# Altium PCB WX0.007.100PCB-4.2.PcbDoc (part 2 of 2)
Units mil, origin at the board's own origin, x right, y up, seen from the top; angles counter-clockwise.
Board outline 4262 x 10750.19 mil, 4 copper layers (Top Layer, GND, VCC, Bottom Layer), stack 62.248 mil thick; 172 components, 134 nets, 606 pads, 489 vias.
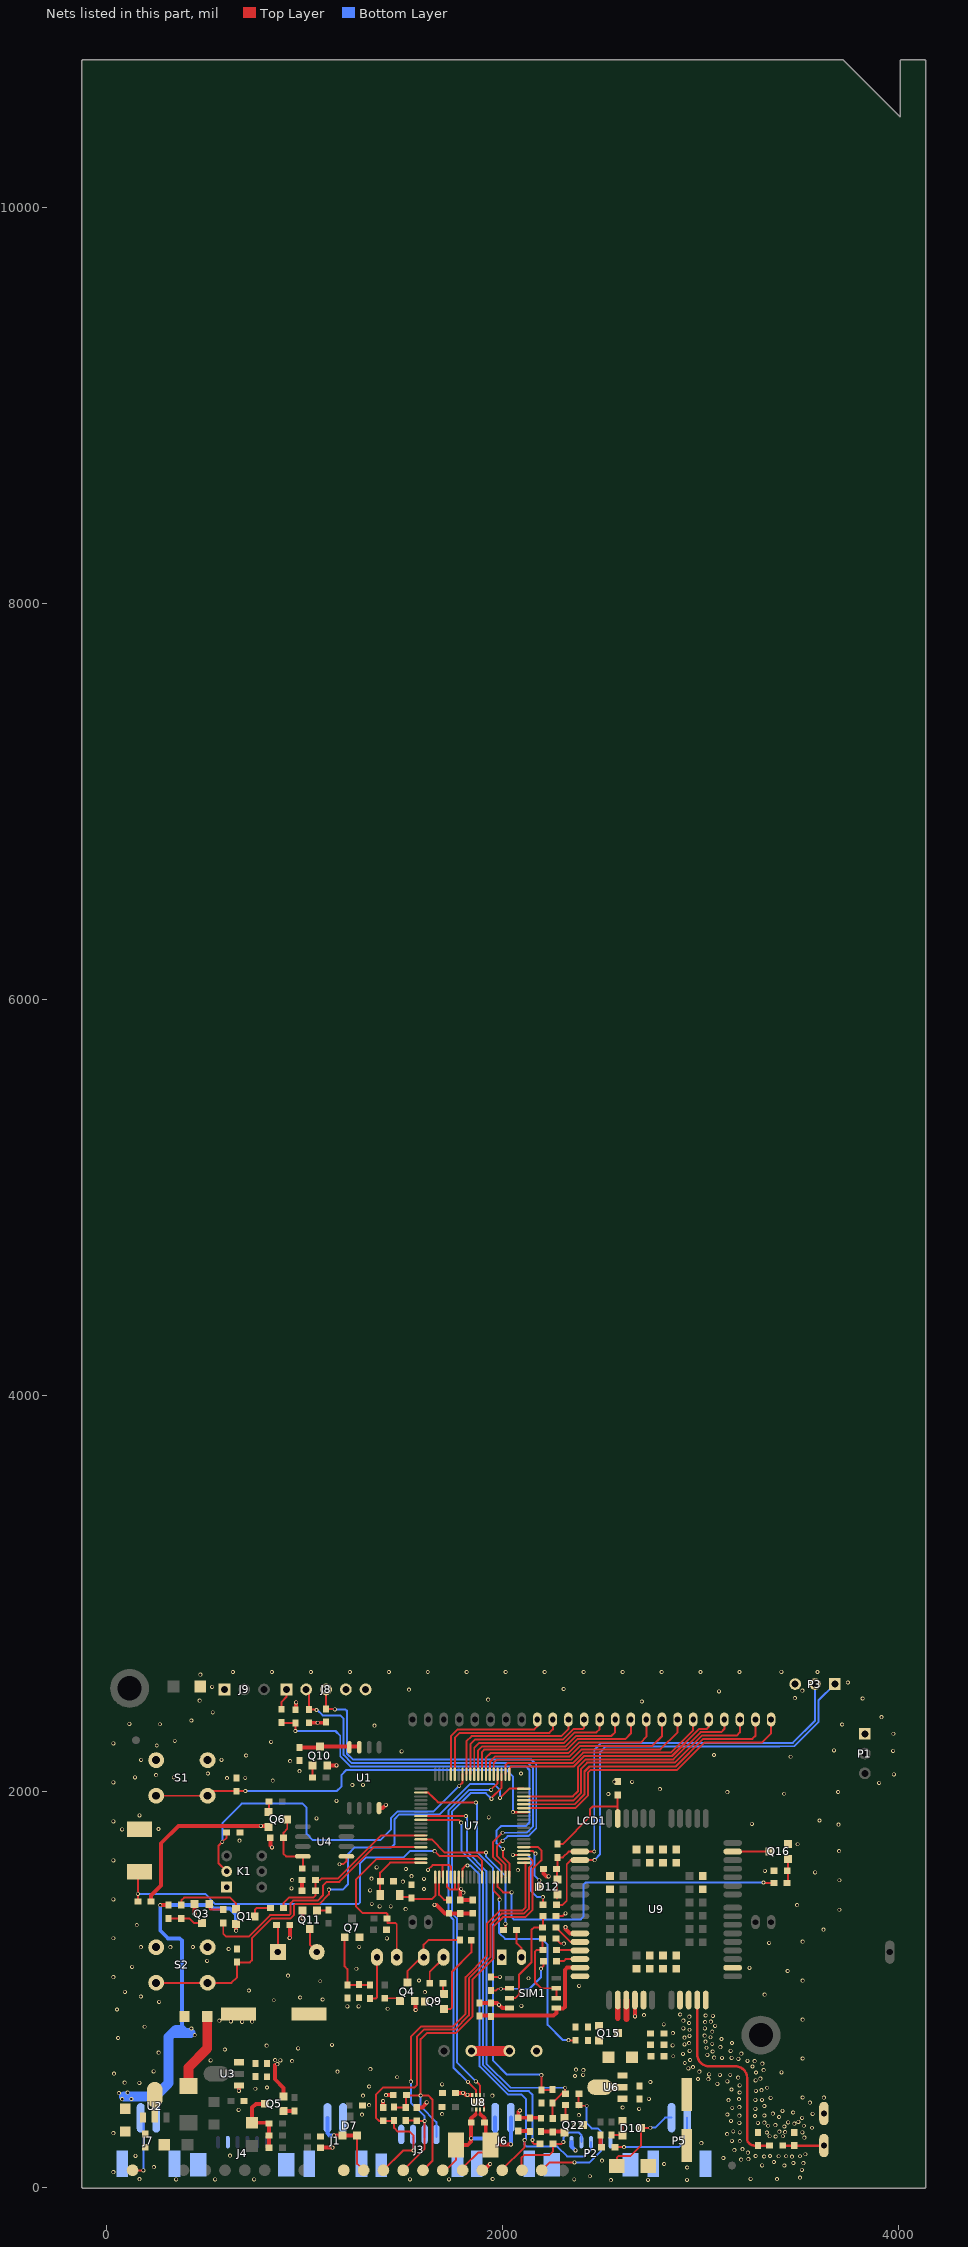
[diagram p4: the nets of this part, all layers, seen from the top]

## Via types
v1: diameter 20, hole 12, Top Layer to Bottom Layer, tented both sides, 489 vias

## Nets (pads, with @x,y where several pads share a name; then routed paths per layer and width w, separated by ;. In a path a pad name is that pad's centre, name@x,y a point inside that pad or via, vN(x,y) a via of type N, cw(c..) or ccw(c..) an arc to the next point about the centre after c; other vN are vias at no path point) (continued)
GND: C1.2 C2.2 C3.2 C4.2 C5.2 C6.2 C7.1 C8.2 C9.2 C10.2 C11.2 C13.1 C14.2 C15.2 C16.2 C19.2 C23.2 C25.2 C26.2 C27.2 C28.1 C29.2 C30.2 C31.2 C35.2 C36.2 C38.2 C39.1 C40.1 C41.2 C42.2 C43.2 C44.1 C45.2 C46.1 C47.1 C48.1 C49.1 C50.2 C51.2 C53.2 C57.2 C63.1 FB2.1 GND.1 J1.2 J1.3 J1.4 J3.4 J3.5 J3.6 J4.5 J4.7 J4.8 J6.3 J6.4 J7.2 J7.3 J7.4 J8.4 J9.1 K1.1 P1.1 P2.1 P2.6 P2.7 P3.3 P5.3 P5.4 pad.0@3625,372 Q3.2 Q7.2 Q9.3 Q11.2 Q16.2 Q22.3 R5.1 R13.2 R51.2 S1.2 S2.2 S3.2 TVS2.2 U1.4 U2.1 U3.1 U4.1 U6.1 U7.63 U7.65 U8.4 U8.9 U9.2 U9.43 U9.47 U9.48 U9.51 U9.52 U9.54 U9.59 U9.60 U9.61 U9.62 U9.63 U9.64 U9.65 U9.66 U9.71 U9.72 U9.73 U9.74 U9.81 U9.82 U9.83 U9.92 U9.93 U9.94 | length 1352.9
  Top Layer w10: S2.2@510.94,1213 S2.2@511.89,1212.05 ; v1(1178,1631) 1198,1631 1213,1646 U4.1@1213,1670.74 ; v1(1625,1603) 1649,1627 1699.58,1627 ; U7.63@1701.36,1565.9 1699.58,1567.68 1699.58,1627 ; U7.65@1740.73,1565.9 1740.73,1619.27 1733,1627 1699.58,1627 ; U8.9@1878.49,428.74 1889.26,428.74 1908.02,409.98 U8.4@1908.02,391.33 ; C26.2@1943,1060.51 1944.49,1062 v1(1988,1062) ; C25.2@2271.51,1255 2296.51,1230 v1(2311,1230) ; C27.2@2272.51,1370 2307,1370 v1(2320,1383)
  Top Layer w20: v1(445.6,1380.6) Q3.2@445.6,1429.24 ; v1(670,486) U3.1@670,512.25 ; U3.1@670.43,512.69 U3.1@671,512.12 ; C43.2@828.49,1765 828.49,1724.51 v1(837,1716) ; C49.1@955,2411.23 959,2415.23 v1(959,2449) ; R13.2@989,1552 989,1497.51 C40.1@989.51,1497 ; Q11.2@990.6,1397.98 990.6,1357.4 v1(991,1357) ; U1.4@1378,1914.74 1395.74,1914.74 v1(1412,1931) ; C39.1@1399,402.23 v1(1399,435) ; v1(1413,465) C10.2@1449.49,465 ; C45.2@1568.51,402.25 1596.25,402.25 1618,424 v1(1618,428) ; v1(1658,1425.74) 1668.26,1425.74 1710.75,1383.25 C13.1@1851,1383.25 ; C31.2@2078,280.49 C31.2@2081,283.49 2138,283.49 C30.2@2140,281.49 ; C8.2@2496,262.49 2496,207.74 FB2.1@2502,201.74 ; v1(2670.73,862.27) U9.47@2670.73,925.08
  other v1: 2549,35 2736.6,37 2933.45,37 353.05,39 549.9,39 746.75,39 1534.15,39 1731,39 2364,39 168,40 3388,40 1952,41 3255,42 3504,48 2443,55 36,76 3514,87 2934,99 240,101 3425,109 3313,110 2818,117 3521,121 3471,122 3372,127 2504,134 3207,139 3243,141 3117,147 3464,154 3323,155 3396,156 3434,156 3504,156 3280,157 3353,157 148,158 625,159 3531,166 3241,174 3173,187 3214,192 3006,222 3200,232 3160,234 3526,250 3381,256 3351,257 3418,257 3136,268 36,272.85 3337,276 3200,277 3516,277 3429,278 3400,280 3167,282 3565,300 3425,306 3343,310 3524,310 2362,313 3380,313 3476,321 3198,325 3291,325 3324,326 3444,327 3496,330 3156,335 3515,350 3399,354 3277,359 3198,361 3324,362 2387,364 1292,366 3137,367 1697,369 3568,370 3367,371 3470,377 3416,385 669,390 2692,395 3279,395 3162,400 2608,402 3198,404 3324,410 1328,414 3554,427 3143,439 3279,441 3312,441 3196,444 2741,446 3356,451 3625,452 3518,452.6 1297,462 1950,462 3199,478 3281,486 3310,490 3158,493 753,497 3338,502 812,503 1328,508 3199,514 1697,519 3087,522 167,527 93,528 2748,531 3137,534 3280,539 3041,545 2989,546 3304,548 3192,553 1469,555 3099,567 3152,567 3045,570 39,573 3282,579 3411,580 1168,583 2996,583 239,585 3321,591 1334,596 2940,600 2964,606 3264,609 3314,624 2922,627 939,636 3275,636 3239,638 527,640 2949,642 3193,648 3518,649.45 3110,653 3159,653 3071,654 2864,661 3036,668 2913,673 3208,674 265,679 3063,685 2947,688 3154,688 599,695 969,701 3032,704 3102,707 810,715 2861,716 1140,719 2921,721 3061,724 2944,727 3161,728 3027,735 3108,748 60,753 2921,755 3052,757 2946,764 3023,765 2862,778 3061,785 2946,795 2915,802 3024,802 194,810 3076,815 2816,822 2944,829 3025,833 3054,836 2915,841 3518,846.3 2945,861 3064,865 3028,867 2716,869 2899,872 54,897 1421,901 1218,913 1275,913 2097,916 267,936 1658,939 846,944 1093,948 979.16,957.84 175,963 3326,972 1609,985 94,986 720,993 2389,1017 1081,1040 3518,1043.15 1580,1044 2133,1055 36,1060.25 918,1068 3442,1092 1263,1103 3249,1108 131,1113 510,1143 618,1203 175,1212 324,1212 437,1213 1278,1214 3348,1234 3518,1240 36,1257.1 1417,1257 3623,1301 154,1323 3703,1401 1512,1404 1381,1418 1437,1418 3490,1424 1341,1430.74 36,1453.95 1333,1499 1605,1506 936,1509 1498,1543 3703,1550 939,1551 1605,1557 1340,1558 1542,1571 3581,1590 3326.74,1597.74 2079,1601 1513,1607 1366,1615 36,1650.8 3702,1697 3492,1732 673,1750 80,1807 264,1809 3699,1831 3261,1835 36,1847.65 3603,1852 1062,1863 1932,1868 168,1878 1163,1951 2536,1986 3424,1987 3137,1995 3697,1996 2796,2010 1243,2031 1297,2032 3904,2042 36,2044.5 2656,2047 2566,2048 841,2053 610,2066 702,2067 145,2070 341,2070 252,2081 3978,2085 513,2089 2095,2089 976,2101 929,2152 176,2158 582,2158 3457,2174 707,2180 3070,2183 1492,2201 3975,2204 3676,2206 255,2231 36,2241.35 833,2249 346,2254 3976,2290 1355,2331 3717,2337 271,2338 117,2340 430,2357 3916,2374 538,2398 2705,2453 472,2457 1929,2462 3821,2468 3478,2470 3095,2504 3516,2508 1529,2513 2310,2516 535,2527 3746,2549 475,2589 639.7,2602 836.55,2602 1033.4,2602 1230.25,2602 1427.1,2602 1623.95,2602 1820.8,2602 2017.65,2602 2214.5,2602 2411.35,2602 2608.2,2602 2805.06,2602 3001.91,2602 3198.76,2602 3592.46,2602 3410,2603
GPRS_3.6V: C3.1 C42.1 C51.1 C53.1 Q15.3 U9.45 U9.46 | length 186.9
  Top Layer w30: 2583.54,853.46 U9.45@2583.54,945.08 ; 2626.85,849.85 U9.46@2626.85,945.08
GPRS_POWER: R18.1 U7.76 | length 1141.7
  Top Layer w10: U7.76@1957.27,1565.9 1957.27,1497.47 1987,1467.74 v1(1987,1452) ; v1(2335,742) 2335.26,741.74 R18.1@2370,741.74
  Bottom Layer w10: v1(1987,1452) 1985,1450 1985,1283 2014.26,1253.74 2199,1253.74 2229,1223.74 2229,820 2307,742 v1(2335,742)
GPRS_RST: R57.1 U7.77 | length 1755.6
  Top Layer w10: U7.77@1976.95,1565.9 1976.95,1516.79 2005,1488.74 v1(2047.74,1488.74) ; v1@3322,1536.74 R57.1@3372,1536.74
  Bottom Layer w10: v1(2047.74,1488.74) 2047.74,1363.26 2058.26,1352.74 2397,1352.74 2410,1365.74 2410,1527.74 2421,1538.74 v1(3320,1538.74)
"HIC1 TXD INT": C16.1 R4.2 U7.42 | length 2024.5
  Top Layer w10: U7.42@1609.16,1993.06 1626.71,1993.06 1651.62,1968.15 1673.65,1946.13 1676.77,1943 v1(1867,1943) ; v1(2198,566) C16.1@2198,491.49 2252.49,491.49 R4.2@2254,493
  Bottom Layer w10: v1(1867,1943) 1873,1937 1873,1691.29 1953.8,1610.5 1953.8,638.37 2024.17,568 2196,568 v1(2198,566)
HIC1_EXT: EXT.1 P2.3 U7.68 | length 2273.6
  Top Layer w10: U7.68@1799.79,1565.9 1799.79,1608.53 1816,1624.74 v1(1825,1624.74) ; EXT.1@2000,85 1996,85 2113,202 v1(2113,237)
  Bottom Layer w10: v1(1825,1624.74) 1838,1624.74 1885.8,1576.94 1885.8,610.2 2028,468 2097,468 2119,446 2119,243 v1(2113,237) 2113,215 2124,204 2279,204 2327.47,155.53 2415.53,155.53 2449,189 P2.3@2449,227
HIC1_RXD: R60.1 U7.49 | length 2056
  Top Layer w10: U7.49@1609.16,1855.27 1779.47,1855.27 1794,1840.74 v1(1793,1840.74) ; v1@2152,238 v1@2152.5,237.5 ; v1(2153,238) 2153,226 2160,219 R60.1@2190,219
  Bottom Layer w10: v1(1793,1840.74) 1795,1840.74 1795,1697.17 1902.8,1589.37 1902.8,617.25 2035.04,485 2135,485 2153,467 v1(2153,238)
HIC1_TXD: R4.1 R58.1 R62.1 U7.48 | length 2158.1
  Top Layer w10: U7.48@1609.16,1874.95 1816.21,1874.95 v1(1816,1874.74) ; R4.1@2254,426 R4.1@2255,427 ; R4.1@2254,435 2255,434 R4.1@2255,427 ; R58.1@2255,355 R4.1@2255,427 ; R62.1@2318,461 R62.1@2318,472 ; v1(2318,502) R62.1@2318,481 ; R62.1@2320,472 R62.1@2318,472 ; R62.1@2320,481 R62.1@2318,481 ; R4.1@2255,427 2300,472 R62.1@2318,472 ; R62.1@2318,472 R62.1@2318,481
  Bottom Layer w10: v1(1816,1874.74) 1823,1867.74 1823,1693.21 1919.8,1596.41 1919.8,624.29 2042.08,502 v1(2318,502)
INTP1: C47.2 S1.1 U7.14 | length 2215.9
  Top Layer w10: S1.1@251.89,1976.93 S1.1@511.89,1976.93 536.96,2002 537.96,2001 v1(703,2001) ; v1@2054,1892.86 2127.06,1892.86 U7.14@2128.84,1894.64 ; v1(2054,1894) 2108.2,1894 U7.14@2108.84,1894.64
  Bottom Layer w10: v1(703,2001) 1165.22,2001 1187.22,2023 1187.22,2081.22 1213,2107 2022,2107 2054,2075 v1(2054,1894)
INTP4: C46.2 S2.1 U7.20 | length 2660.4
  Top Layer w10: S2.1@251.89,1032.05 S2.1@511.89,1032.05 632.05,1032.05 661,1061 C46.2@661,1135.49 ; C46.2@661,1136.49 C46.2@661,1135.49 ; v1(1124,1503) 1124,1478.96 1075.04,1430 955,1430 948,1423 948,1373.96 931.04,1357 920,1357 919,1356 834,1356 735,1257 735,1145 725.49,1135.49 C46.2@661,1135.49 ; v1(1989,1966) 2035.75,2012.75 U7.20@2108.84,2012.75
  Bottom Layer w10: v1(1124,1503) 1195,1503 1221,1529 1221,1681 1256,1716 1439.26,1716 1456,1732.74 1456,1858.74 1478.5,1881.24 1683.12,1881.24 1838.88,2037 1956.43,2037 1989,2004.43 v1(1989,1966)
IRED_RXD_EN: D6.2 R23.2 U7.59 | length 962.8
  Top Layer w10: D6.2@1467.32,1161.42 1467.32,1327.68 1460.26,1334.74 1420,1334.74 1420,1379 1414,1385 1294,1385 1261,1418 1261,1553.17 1366.25,1658.42 U7.59@1609.16,1658.42
KEY_OPEN: C63.2 K1.2 U7.33 | length 1931.5
  Top Layer w10: C63.2@607.49,1792 607.49,1765.49 v1(586,1744) 567,1725 567,1635.76 K1.2@608.27,1594.49 ; v1(1783,2027) 1799.79,2043.79 U7.33@1799.79,2085.58
  Bottom Layer w10: v1(586,1744) 586,1839 684,1937 992,1937 1012,1917 1012,1783.96 1042.96,1753 1384.83,1753 1439,1807.17 1439,1865.78 1471.46,1898.24 1654.24,1898.24 v1(1783,2027)
LED: R37.1 U7.54 | length 794.7
  Top Layer w10: U7.54@1589.16,1756.84 1643.16,1756.84 1710,1690 v1(1918,1690) ; R37.1@2006,1298 2016,1308 v1(2016,1330)
  Bottom Layer w10: v1(1918,1690) 1918,1670.33 2017,1571.33 2017,1330 v1(2016,1330)
MCU_RXD0: R52.1 U7.3 | length 433.4
  Top Layer w10: v1(2053.64,1678.1) U7.3@2108.84,1678.1 ; v1(2205,1465) 2205,1425 R52.1@2207,1423
  Bottom Layer w10: v1(2053.64,1678.1) 2126.64,1678.1 2146,1658.74 2146,1495.26 2176.26,1465 v1(2205,1465)
MCU_TXD0: D12.3 U7.4 | length 246.5
  Top Layer w10: U7.4@2108.84,1697.79 2154.95,1697.79 v1(2168,1684.74) ; D12.3@2185.76,1516 2187.76,1518 v1(2187.76,1550)
  Bottom Layer w10: v1(2168,1684.74) 2163,1679.74 2163,1574.76 v1(2187.76,1550)
MOTO_B: C37.2 J6.2 M_B.1 TVS1.2 U8.3 | length 624.4
  Top Layer w10: M_B.1@1813,85 1813,110 1878,175 1903,175 TVS1.2@1941,213 ; U8.3@1888.33,391.33 1888.33,370.18 1891.51,367
  Top Layer w20: 1891.51,367 1909.51,349.01 C37.2@1909.51,335.74 ; C37.2@1910.51,326 1917,319.51 1917,237 TVS1.2@1941,213 1944,216 v1(2043.37,216)
  Bottom Layer w20: v1(2043.37,216) J6.2@2043.37,351.14
MOTO_R: C37.1 J6.1 M_R.1 TVS1.1 U8.2 | length 639.1
  Top Layer w10: M_R.1@1700,85 1715,85 1766,136 TVS1.1@1766,213 ; 1864.01,366.99 1868.65,371.62 U8.2@1868.65,391.33
  Top Layer w20: TVS1.1@1766,213 1826,213 1843.51,230.51 v1(1843.51,246.51) C37.1@1843.51,326 1843.51,346.48 1864.01,366.99
  Bottom Layer w20: v1(1843.51,246.51) 1952.51,246.51 1965,259 1964.63,259.37 J6.1@1964.63,351.14
NetB1_1: B1.1 R27.1 | length 139.2
  Top Layer w10: R27.1@860,1324 867,1317 B1.1@867,1187.74
NetB1_2: B1.2 Q11.3 | length 130.6
  Top Layer w10: Q11.3@1028,1303.5 1028,1223.59 B1.2@1063.85,1187.74
NetC1_1: C1.1 R2.2 U9.53 | length 1033.9
  Top Layer w12.5: U9.53@2985.12,945.08 2985.12,670.53 ccw(c3044.65,670.53) 3044.65,611 3177.26,611 cw(c3177.26,551.26) 3237,551.26 3237,246.97 ccw(c3273.97,246.97) 3273.97,210 3293,210 C1.1@3293,209.51 3350,209.51 R2.2@3350,210
NetC4_1: C4.1 D2.2 R42.1 U2.2
NetC11_1: C11.1 Q7.1 R5.2 R19.1 | length 361.4
  Top Layer w10: Q7.1@1204.6,1262 1204.6,1115 1218,1101.6 R5.2@1218,1022 1331,1022 R19.1@1333,1020
NetC12_2: C12.2 C50.1 | length 192.2
  Top Layer w50: C12.2@1843.8,688 C50.1@2036,688
NetC36_1: C36.1 Q10.3 U1.7 U1.8 | length 403.9
  Top Layer w10: C36.1@976,2221.23 Q10.3@1075.25,2221.23 ; Q10.3@1075.74,2221.72 Q10.3@1079,2224.98 ; U1.7@1274.84,2224.98 U1.7@1278,2221.83
  Top Layer w20: C36.1@976,2221.72 Q10.3@1075.74,2221.72 ; Q10.3@1079,2224.98 U1.7@1274.84,2224.98
NetC38_1: C38.1 U7.62 | length 138.4
  Top Layer w10: U7.62@1681.68,1565.9 1681.68,1476.06 1706.51,1451.23 C38.1@1720,1451.23
NetC43_1: C43.1 Q6.3 R34.1 U4.8 | length 356.2
  Top Layer w10: Q6.3@914.24,1857 914.24,1809.24 895.49,1790.49 C43.1@895.49,1765 895,1764.51 895,1684 908.26,1670.74 U4.8@993,1670.74 R34.1@993,1599
NetD1_2: D1.2 R37.2 | length 146.8
  Top Layer w10: R37.2@2073,1298 2073,1231 2097.64,1206.36 D1.2@2097.64,1161.42
NetD5_1: D5.1 Q4.3 R16.2 | length 403.2
  Top Layer w10: 1521,1055.24 1521,1091 1591.42,1161.42 D5.1@1603.54,1161.42 1603.54,1224.54 1628,1249 R16.2@1786,1249
NetD5_2: D5.2 R15.2 | length 160.2
  Top Layer w10: R15.2@1634,1030 1634,1087 1703.54,1156.54 D5.2@1703.54,1161.42
NetD6_1: D6.1 R19.2 | length 239.6
  Top Layer w10: R19.2@1333,953 1362,953 1367.32,958.32 D6.1@1367.32,1161.42
NetD7_1: D7.1 D7.2 J1.1 VBAT2.1 | length 422.2
  Top Layer w10: D7.2@1267.4,261.76 1267.4,117.6 VBAT2.1@1300,85
  Top Layer w20: v1(1150.24,261.76) D7.1@1192.6,261.76 D7.2@1267.4,261.76
  Bottom Layer w20: J1.1@1117.63,350.14 1117.63,272.37 1128.24,261.76 v1(1150.24,261.76)
NetD10_1: D10.1 D10.2 FB1.2 | length 124.8
  Top Layer w10: FB1.2@2553,263 2604.35,263 2606.76,265.4 D10.1@2606.76,335.4
NetD10_3: D10.3 P5.1 TVS2.1 | length 453.3
  Top Layer w10: TVS2.1@2579.26,107 2579.26,148.69 2588,157.43 2648.43,157.43 2700,209 2700,296.76 D10.3@2701.24,298 2746,298 v1(2748,300)
  Bottom Layer w10: v1(2748,300) 2772,300 2823.14,351.14 P5.1@2855.63,351.14
NetFB2_2: FB2.2 P5.2 | length 491.4
  Top Layer w10: FB2.2@2569,201.74 v1(2615.26,201.74) v1@2616,201
  Bottom Layer w10: v1(2615.26,201.74) 2892.74,201.74 2934.37,243.37 P5.2@2934.37,351.14
NetJ8_1: J8.1 R95.2 | length 109.9
  Top Layer w10: R95.2@886,2413.74 886,2451.74 910,2475.74 J8.1@910,2513.74
NetP2_2: P2.2 R61.2 R62.2 TXD.1 | length 707
  Top Layer w10: TXD.1@2200,85 2240.53,125.53 v1(2365.47,125.53) ; R61.2@2385,403 R62.2@2385,461 ; R61.2@2393,411 v1(2427,411)
  Bottom Layer w10: v1(2365.47,125.53) 2441.53,125.53 2498.21,182.21 P2.2@2498.21,227 2498.21,282 2483.21,297 2452,297 2427,322 v1(2427,411)
NetP2_4: P2.4 R60.2 RXD.1 | length 509.4
  Top Layer w10: RXD.1@2100,85 2097,88 2097,148 2111,162 2238,162 2257,181 R60.2@2257,219 R60.2@2266,219 ; R60.2@2257,228 R60.2@2266,219 ; v1(2309,228) 2300,219 R60.2@2266,219
  Bottom Layer w10: v1(2309,228) 2309,250 2335,276 2387,276 2399.79,263.21 P2.4@2399.79,227
NetQ1_1: Q1.1 R1.2 | length 346
  Top Layer w10: R1.2@379,1424.74 379,1448 393,1462 626,1462 655.76,1432.24 Q1.1@655.76,1404.4
NetQ1_3: Q1.3 R9.1 | length 128.8
  Top Layer w10: Q1.3@759.24,1376 Q1.3@750.24,1367 750.24,1400.24 760,1410 R9.1@829,1410
NetQ3_1: Q3.1 R14.2 | length 73.2
  Top Layer w10: 520.4,1408.24 526.65,1402 R14.2@591,1402
NetQ3_3: Q3.3 R1.1 R10.1 | length 178.5
  Top Layer w10: R10.1@314,1357.74 R1.1@379,1357.74 419.26,1357.74 442.24,1334.76 Q3.3@483,1334.76
NetQ4_1: Q4.1 R25.1 | length 82.5
  Top Layer w10: R25.1@1407,954 1469.35,954 Q4.1@1483.6,939.76
NetQ5_1: Q5.1 R24.2 | length 55.3
  Top Layer w20: Q5.1@896.24,383.6 949.6,383.6 R24.2@951,385
NetQ5_3: Q5.3 R39.2 R40.2 R43.2 R44.2 | length 346.8
  Top Layer w20: Q5.3@788.76,421 756,421 737,402 R39.2@737,325.11 819.89,325.11 R40.2@823,322 R44.2@823,261 R43.2@823,199
NetQ6_1: Q6.1 R41.2 | length 54.5
  Top Layer w10: Q6.1@819.76,1894.4 822,1896.65 R41.2@822,1948
NetQ9_1: Q9.1 R3.2 | length 424
  Top Layer w10: Q9.1@1705.24,900.6 1739.6,900.6 1747,908 1747,1089.25 1844,1186.25 R3.2@1844,1247
NetQ9_2: Q9.2 R15.1 | length 56.4
  Top Layer w10: R15.1@1701,1030 1701,979.65 Q9.2@1705.24,975.4
NetQ10_1: Q10.1 R12.2 | length 60.4
  Top Layer w10: R12.2@1042,2069.74 Q10.1@1042,2130.09
NetQ11_1: Q11.1 R38.2 | length 57.3
  Top Layer w10: Q11.1@1065.4,1397.98 1120.24,1397.98 R38.2@1122,1399.74
NetQ15_1: Q15.1 R6.1 R18.2
NetQ15_2: Q15.2 R6.2 R50.2 U6.3
NetQ16_1: Q16.1 R51.1 R57.2 | length 123.8
  Top Layer w10: R57.2@3439,1536.74 3444.24,1541.98 Q16.1@3444.24,1658.34
NetQ22_1: Q22.1 R61.1 | length 79.2
  Top Layer w10: Q22.1@2318,344.65 2318,352 2320,354 R61.1@2320,423
NetQ22_2: Q22.2 R58.2 R59.1 | length 121
  Top Layer w20: R59.1@2196,281 2309.35,281 Q22.2@2314.76,275.6
OPEN: U7.23 U8.6 | length 1885.3
  Top Layer w10: v1(1867,534.57) 1877.98,523.59 ; 1877.98,523.56 1888.33,513.2 U8.6@1888.33,466.14 ; v1(1946,1961) 1946,1966.57 1996.64,2017.21 U7.23@1996.64,2085.58
  Bottom Layer w10: v1(1867,534.57) 1771,630.57 1771,1358.21 1746,1383.21 1746,1896.04 1839.96,1990 1917,1990 v1(1946,1961)
R: D12.1 D12.2 P3.2 R53.2 R54.2 U9.29 | length 2280.8
  Top Layer w10: 2277,1457.84 2277,1615 2280,1618 R53.2@2280,1666 2306,1666 2335.08,1695.08 U9.29@2392.6,1695.08 2392.68,1695 v1(2465,1695)
  Bottom Layer w10: v1(2465,1695) 2465,2208 2501,2244 3468,2244 3580,2356 P3.2@3580,2541
RESET: Q16.3 U9.15 | length 138.3
  Top Layer w10: U9.15@3210.83,1695.08 Q16.3@3349.09,1695.08
RST: C49.2 R95.1 U7.80 | length 2146.7
  Top Layer w10: R95.1@888.51,2344.23 C49.2@955,2344.23 v1(955,2304) ; v1(2003,1709) 2003,1668 2036.01,1634.99 U7.80@2036.01,1565.9
  Bottom Layer w10: v1@953,2307 v1@955,2307 ; v1(955,2304) 1157.98,2304 1181.98,2280 1181.98,2175.94 1232.92,2125 2120,2125 2138,2107 2138,1842 2120,1824 1995,1824 1991,1820 1989.57,1820 1972,1802.43 1972,1736.57 1999.57,1709 v1(2003,1709)
S0: LCD1.9 U7.36 | length 683.5
  Top Layer w10: U7.36@1740.73,2085.58 1740.73,2276.47 1776,2311.74 2162,2311.74 2177.16,2326.9 LCD1.9@2177.16,2362.2
S1: LCD1.10 U7.35 | length 747.2
  Top Layer w10: U7.35@1760.42,2085.58 1760.42,2270.16 1785,2294.74 2238,2294.74 2255.91,2312.65 LCD1.10@2255.91,2362.2
S2: LCD1.11 U7.32 | length 755.4
  Top Layer w10: U7.32@1819.47,2085.58 1819.47,2251.21 1846,2277.74 2299,2277.74 2334.65,2313.39 LCD1.11@2334.65,2362.2
S3: LCD1.12 U7.31 | length 802.5
  Top Layer w10: U7.31@1839.16,2085.58 1839.16,2237.9 1862,2260.74 2306.04,2260.74 2359.04,2313.74 2406.74,2313.74 2413.39,2320.39 LCD1.12@2413.39,2362.2
S4: LCD1.13 U7.30 | length 855.3
  Top Layer w10: U7.30@1858.84,2085.58 1858.84,2219.58 1883,2243.74 2313.08,2243.74 2366.08,2296.74 2476,2296.74 2492.13,2312.87 LCD1.13@2492.13,2362.2
S5: LCD1.14 U7.29 | length 914.9
  Top Layer w10: U7.29@1878.53,2085.58 1878.53,2206.27 1899,2226.74 2320.12,2226.74 2373.12,2279.74 2552,2279.74 2570.87,2298.61 LCD1.14@2570.87,2362.2
S6: LCD1.15 U7.28 | length 973.9
  Top Layer w10: U7.28@1898.21,2085.58 1898.21,2198.95 1909,2209.74 2327.17,2209.74 2380.17,2262.74 2621,2262.74 2649.61,2291.35 LCD1.15@2649.61,2362.2
S7: LCD1.16 U7.27 | length 1025.3
  Top Layer w10: U7.27@1917.9,2085.58 1917.9,2169.64 1941,2192.74 2334.21,2192.74 2387.21,2245.74 2699,2245.74 2728.35,2275.09 LCD1.16@2728.35,2362.2
S8: LCD1.17 U7.26 | length 1069.7
  Top Layer w10: U7.26@1937.58,2085.58 1937.58,2147.32 1966,2175.74 2341.25,2175.74 2394.25,2228.74 2758,2228.74 2807.09,2277.83 LCD1.17@2807.09,2362.2
S9: LCD1.18 U7.25 | length 1114
  Top Layer w10: U7.25@1957.27,2085.58 1957.27,2142.97 1973.04,2158.74 2348.29,2158.74 2401.29,2211.74 2799,2211.74 2885.83,2298.57 LCD1.18@2885.83,2362.2
S10: LCD1.19 U7.22 | length 1121.5
  Top Layer w10: U7.22@2016.32,2085.58 2016.32,2132.06 2026,2141.74 2355.33,2141.74 2408.33,2194.74 2850.74,2194.74 2964.57,2308.57 LCD1.19@2964.57,2362.2
S11: LCD1.20 U7.21 | length 1161.2
  Top Layer w10: U7.21@2036.01,2085.58 2036.01,2114.75 2046,2124.74 2362.37,2124.74 2415.37,2177.74 2857.78,2177.74 2994.81,2314.77 3033.77,2314.77 3043.31,2324.31 LCD1.20@3043.31,2362.2
S12: LCD1.21 U7.18 | length 1253.7
  Top Layer w10: U7.18@2128.84,1973.38 2356.64,1973.38 2381.71,1998.45 2381.71,2120.03 2422.42,2160.74 2864.82,2160.74 3001.85,2297.77 3105.77,2297.77 3122.05,2314.05 LCD1.21@3122.05,2362.2
S13: LCD1.22 U7.17 | length 1350.7
  Top Layer w10: U7.17@2128.84,1953.69 2360.99,1953.69 2398.71,1991.41 2398.71,2112.99 2429.46,2143.74 2871.86,2143.74 3008.9,2280.77 3184.77,2280.77 3200.79,2296.79 LCD1.22@3200.79,2362.2
S14: LCD1.23 U7.16 | length 1443.9
  Top Layer w10: U7.16@2128.84,1934.01 2365.35,1934.01 2415.71,1984.37 2415.71,2099.45 2441,2124.74 2876.91,2124.74 3015.94,2263.77 3263.77,2263.77 3279.53,2279.53 LCD1.23@3279.53,2362.2
S15: LCD1.24 U7.15 | length 1523.5
  Top Layer w10: U7.15@2128.84,1914.32 2369.71,1914.32 2432.71,1977.32 2432.71,2092.41 2448.04,2107.74 2883.95,2107.74 3022.98,2246.77 3313.03,2246.77 3358.27,2292.01 LCD1.24@3358.27,2362.2
SIM_CLK: C26.1 R21.1 SIM1.6 | length 411.6
  Top Layer w10: C26.1@1943,993.51 1969.51,993.51 1978,1002 v1(1993,1002) 2034.43,1002 SIM1.6@2037,1004.57 ; v1(2196,1104) 2208,1116 R21.1@2208,1141
  Bottom Layer w10: v1(1993,1002) 2138,1002 2196,1060 v1(2196,1104)
SIM_DATA: C25.1 R20.2 SIM1.2 SIM1.3 | length 429.1
  Top Layer w10: C25.1@2204.51,1255 2204.51,1199.49 R20.2@2207,1197 2172,1197 2165,1190 2165,1036.15 2196.57,1004.57 SIM1.3@2273.22,1004.57 SIM1.2@2273.22,954.57
SIM_RST: C27.1 R22.1 SIM1.7 | length 528.6
  Top Layer w10: SIM1.7@2037,954.57 2066.57,954.57 2086,974 2086,1074 2148,1136 2148,1299 2161,1312 R22.1@2204,1312 2205.51,1312 C27.1@2205.51,1370
SLEEP: U7.24 U8.7 | length 1856.6
  Top Layer w10: v1(1827,532) 1826,532 1823,535 1868.66,489.34 U8.7@1868.66,466.14 ; v1(1944,2007) 1943.26,2007 1976.95,2040.69 U7.24@1976.95,2085.58
  Bottom Layer w10: v1(1827,532) 1826,532 1823,535 1754,604 1754,1351.17 1729,1376.17 1729,1903.08 1832.92,2007 v1(1944,2007)
SWCLK: J8.2 R94.1 U7.78 | length 2177.2
  Top Layer w10: J8.2@1024,2499.74 R94.1@1024,2412.74 1059.26,2412.74 v1(1062,2410) ; U7.78@1996.64,1565.9 1996.64,1625.36 1953,1669 1953,1742.43 2000.57,1790 v1(2002,1790)
  Bottom Layer w10: v1(1062,2410) v1@1066,2410 ; v1@1063,2413 v1@1066,2410 ; v1(2002,1790) 2124.18,1790 2155,1820.82 2155,2118 2131,2142 1239.96,2142 1198.98,2182.98 1198.98,2365.02 1181,2383 1093,2383 v1@1066,2410
SWIO: J8.3 R93.2 U7.79 | length 2130.3
  Top Layer w10: J8.3@1110,2513.74 R93.2@1110,2415.74 v1@1152.26,2415.74 ; v1(2002,1749) 2000.57,1749 1973,1721.43 1973,1673.96 2016.32,1630.64 U7.79@2016.32,1565.9
  Bottom Layer w10: v1(1155,2413) 1208,2413 1216,2405 1216,2190 1247,2159 2148,2159 2172,2135 2172,1813.78 2131.22,1773 2027.43,1773 2003.43,1749 v1(2002,1749)
T: P3.1 R52.2 U9.30 | length 2343.1
  Top Layer w10: R52.2@2274,1426 2305,1426 2326,1447 2326,1632 2345.77,1651.77 U9.30@2392.6,1651.77 v1(2467,1651.77)
  Bottom Layer w10: v1(2467,1651.77) 2467,1654.57 2495,1682.57 2495,2197 2524,2226 3402,2226 3403,2227 3475.04,2227 3597,2348.96 3597,2458 P3.1@3680,2541
USIM_CLK: R21.2 U9.41 | length 122.1
  Top Layer w10: R21.2@2275,1141 2310,1141 2320.77,1151.77 U9.41@2392.6,1151.77
USIM_DATA: R20.1 U9.40 | length 119.4
  Top Layer w10: R20.1@2274,1197 2390.68,1197 U9.40@2392.6,1195.08
USIM_GND: C24.2 C32.2 SIM1.1 U9.42 | length 734
  Top Layer w20: C32.2@1886,863.49 1888.51,866 2260,866 2273.22,879.22 SIM1.1@2273.22,904.57 2275.8,902 2308,902 2317,911 2317,1097 2328.46,1108.46 U9.42@2392.6,1108.46
USIM_RST: R22.2 U9.39 | length 124.7
  Top Layer w10: R22.2@2271,1312 2271.43,1312 2341,1242.43 2341,1242 2344.61,1238.39 U9.39@2365,1238.39
USIM_VDD: C24.1 C32.1 SIM1.8 U9.38 | length 252.6
  Top Layer w20: C32.1@1886,930.49 1974.51,930.49 v1(1984,921) 2000.43,904.57 SIM1.8@2037,904.57 ; v1(2320,1313) 2320,1304 2342.31,1281.69 U9.38@2392.6,1281.69
VCC: C5.1 C6.1 C13.2 C30.1 C31.1 C44.2 C48.2 D1.1 J8.5 P2.5 Q4.2 Q5.2 Q6.2 Q10.2 R27.2 R35.2 R54.1 R59.2 R63.2 R93.1 R94.2 U3.3 U7.64 U7.66 U7.67 U8.8 VCC.1 | length 2102
  Top Layer w10: U7.64@1721.05,1565.9 1721.05,1516.69 1734,1503.74 1763,1503.74 ; U7.66@1760.42,1565.9 1760.42,1506.32 1763,1503.74 ; 1777,1503.74 1763,1503.74 ; 1780.42,1507.16 U7.67@1780.42,1565.9
  Top Layer w20: R63.2@227,1443 227,1473 277,1523 277,1737 364.5,1824.5 814.85,1824.5 Q6.2@815.76,1823.6 ; Q6.2@819.76,1819.6 Q6.2@815.76,1823.6 ; Q6.2@819.76,1823.6 Q6.2@815.76,1823.6 ; 853,616.74 853,545 896.24,501.76 Q5.2@896.24,458.4 ; v1(926,1259) 927,1260 R27.2@927,1324 ; R94.2@1024,2345.74 R93.1@1107,2345.74 ; R35.2@1083,199 v1(1143,199) ; Q10.2@1116.4,2130.5 v1(1163.24,2130.5) ; v1(1563,895) Q4.2@1563,939.76 ; C48.2@1764.51,476 1806,476 1815.86,466.14 1843,466.14 ; 1788,1492.74 C44.2@1788,1449.25 1850,1449.25 C13.2@1851,1450.25 ; VCC.1@1900,85 1907,85 v1@1938,116 ; v1(2089,387) 2081,379 C31.1@2081,350.49 R59.2@2189.49,350.49 ; R54.1@2208,1607 2208,1585 2223,1570 v1(2235,1570)
  Bottom Layer w20: P2.5@2350.57,227 2350.57,205.29 v1@2370.33,185.53
  other v1: 1939,117 2370,186 1825,466 1802,476 864,621 879,640 853,641 1804,1487.74 1793,1507 781,1824.5 1068,2345.74
VDD_EXT: C57.1 R53.1 U9.26 | length 523.4
  Top Layer w10: R53.1@2280,1733 2305,1733 2443,1871 2443,1908.74 2456,1921.74 2583.54,1921.74 ; U9.26@2583.54,1862.4 2583.54,1921.74 ; C57.1@2584,1981.51 2583.54,1981.51 2583.54,1921.74
VIN: D2.1 D4.1 J7.1 Q1.2 R10.2 VIN1.1 | length 2228.2
  Top Layer w10: VIN1.1@133,85 v1(187,85)
  Top Layer w20: v1(272.74,1424.74) R10.2@314,1424.74 ; v1(655.76,1295.76) Q1.2@655.76,1329.6
  Bottom Layer w10: v1(187,85) J7.1@187,331.25
  Bottom Layer w20: 383,794 383,1245 371,1257 311,1257 272.74,1295.26 v1(272.74,1424.74) 524.15,1424.74 540.89,1408 624,1408 655.76,1376.24 v1(655.76,1295.76)
  Bottom Layer w50: 90,458 248,458 315,525 315,758 336,779 ; 383,794 351,794 336,779 ; 425,779 336,779
  other v1: 80,444 127,445 64,475 108,477 447,768 430,801
VIN_CHEAK: C40.2 R9.2 R13.1 U7.53 | length 927.7
  Top Layer w10: R9.2@896,1410 896,1436 924,1464 1047.99,1464 1056.51,1472.52 C40.2@1056.51,1497 1056,1497.51 R13.1@1056,1552 1080,1552 1086.74,1558.74 1170,1558.74 1388,1776.74 1608.94,1776.74 U7.53@1609.16,1776.53
VIN_CHEAK_EN: R14.1 U7.56 | length 1327.1
  Top Layer w10: R14.1@591,1335 591,1279 605,1265 718.96,1265 827.96,1374 924,1374 931,1381 931,1434 944,1447 1068,1447 1094,1473 1094,1521.96 1113.78,1541.74 1177.04,1541.74 1352.04,1716.74 1433.43,1716.74 1434.16,1717.47 U7.56@1609.16,1717.47
VIN_NB: C15.1 C23.1 D4.2 D8.2 R50.1 U6.2 | length 391.1
  Top Layer w50: D8.2@415,510.24 415,605 510.09,700.09 D4.2@510.09,862
  other v1: 2368,561 2409,567 2410,591 2373,593 686,835 737,836 629,837 571,841
W1: C2.1 pad.1 R2.1 | length 198.9
  Top Layer w12.5: R2.1@3417,210 3474.51,210 C2.1@3475,209.51 ; pad.1@3625,210 C2.1@3486,210 ; C2.1@3486,210 3485.51,210 3486,209.51 C2.1@3486,210
WY_POW: C10.1 J3.1 POW.1 R29.1 R30.1 U7.5 | length 2610.3
  Top Layer w10: R29.1@1465,402.74 R30.1@1513,402.74 C10.1@1513,465 ; C10.1@1516.49,465 1518.49,463 v1(1588,463) ; POW.1@1600,85 1648,133 1648,440.43 1625.43,463 v1(1588,463) ; U7.5@2108.84,1717.47 2180.84,1717.47 2184.57,1713.74 2185.26,1713.74 2198,1701 2198,1650.97 2152,1604.97 2152,1399 2117,1364 2004,1364 1957,1317 1957,1155 1849,1047 1849,860.79 1766.21,778 1619,778 1588,747 v1(1588,463)
  Bottom Layer w10: v1(1588,463) 1588,408 1667.58,328.42 J3.1@1667.58,252
WY_SCL: C39.2 J3.3 R29.2 SCL.1 U7.2 | length 2514.6
  Top Layer w10: SCL.1@1400,85 1500,185 v1(1553,185) 1553,260 1533,280 1473,280 1454,299 R29.2@1454,334.23 ; R29.2@1454,336.74 R29.2@1454,334.23 ; U7.2@2108.84,1658.42 2143.32,1658.42 2154.31,1647.43 2154.31,1631.32 2135,1612.01 2135,1406.04 2109.96,1381 1996.96,1381 1940,1324.04 1940,1162.04 1832,1054.04 1832,867.83 1759.17,795 1604,795 1570,761 1570,517 1556,503 1526.57,503 1525.57,504 1399,504 1363,468 1363,349 1377.77,334.23 R29.2@1454,334.23
  Bottom Layer w10: J3.3@1549.47,252 1553,248.47 v1(1553,185)
WY_SDA: C45.1 J3.2 R30.2 SDA.1 U7.1 | length 2220.7
  Top Layer w10: SDA.1@1500,85 1608,193 v1(1608,334) 1569.76,334 C45.1@1568.51,335.25 1568.02,335.74 R30.2@1513,335.74 ; v1(1539,533) 1539,760 1591,812 1752.12,812 1815,874.88 1815,1061.08 1923,1169.08 1923,1331.08 1989.92,1398 2102.92,1398 2118,1413.08 2118,1634.4 2122.34,1638.73 U7.1@2108.84,1638.73
  Bottom Layer w10: v1(1539,533) 1539,426 1608,357 v1(1608,334) 1608.53,333.47 J3.2@1608.53,252
X1: R63.1 S3.1 U7.73 | length 2228.6
  Top Layer w10: R63.1@160,1443 v1(160,1481) S3.1@160,1584 ; v1(1659,1697) 1683,1673 1874,1673 1898.21,1648.79 U7.73@1898.21,1565.9
  Bottom Layer w10: v1(160,1481) 499,1481 550,1430 1273,1430 1282,1439 1282,1635 1311,1664 1501.04,1664 1534.04,1697 v1(1659,1697)
XT1: C28.2 U7.61 Y2.1 | length 274.4
  Top Layer w10: Y2.1@1492.74,1465 1537.49,1465 C28.2@1542,1460.49 1548.12,1454.37 1643.63,1454.37 1661.99,1472.73 U7.61@1661.99,1565.9
XT2: C7.2 U7.60 Y2.2 | length 359
  Top Layer w10: Y2.2@1383.57,1475.74 1383.57,1588.31 1433.99,1638.73 U7.60@1609.16,1638.73
pads on no net: K1.3 K1.4 K1.5 K1.6 LCD1.25 LCD1.26 LCD1.27 LCD1.28 MARK1.0 MARK1.1 MARK2.0 MARK2.1 SIM1.4 SIM1.5 U4.2 U4.4 U4.5 U7.34 U7.69 U9.1 U9.3 U9.4 U9.5 U9.6 U9.7 U9.8 U9.9 U9.10 U9.11 U9.12 U9.13 U9.14 U9.16 U9.17 U9.18 U9.21 U9.22 U9.23 U9.24 U9.25 U9.27 U9.28 U9.31 U9.32 U9.33 U9.34 U9.35 U9.36 U9.37 U9.44 U9.49 U9.50 U9.55 U9.56 U9.57 U9.58 U9.67 U9.68 U9.69 U9.70 U9.75 U9.76 U9.77 U9.78 U9.79 U9.80 U9.84 U9.85 U9.86 U9.87 U9.88 U9.89 U9.90 U9.91

## Polygon pours and split planes (outlines as drawn)
GND on Bottom Layer "Top Layer-No Net" (solid, remove dead copper, pour order 2): 10,1 4014.75,1 4015.75,0 4015.75,2342.52 3720.47,2637.8 0,2637.8
GND on Top Layer "Top Layer-No Net" (solid, remove dead copper, pour order 4): 0,2637.8 3720.47,2637.8 4015.75,2342.52 4015.75,0 0,0
GND on GND (split plane): 4118.78,15.08 4015.75,15.08 4015.75,2026 4014.75,2025 3721,2025 3721,1281 3720,1280 3543,1280 3543,493 3577,459 3648,459 3680,427 3680,319 3647,286 3566,286 3543,263 3543,15.08 -103.03,15.08 -103.03,10725.08 3714.23,10725.08 3996.52,10442.78 3999.57,10440.28 4003.04,10438.42 4006.81,10437.28 4010.73,10436.89 4014.65,10437.28 4018.42,10438.42 4021.9,10440.28 4024.94,10442.78 4027.44,10445.83 4029.3,10449.3 4030.44,10453.07 4030.83,10456.99 4030.83,10725.08 4118.78,10725.08
VIN_NB on VCC (split plane): 2356.9,790.89 2356.9,629 2357.29,627.05 2358.4,625.4 2372.4,611.4 2374.05,610.29 2376,609.9 2427.89,609.9 2430.9,606.89 2430.9,535.1 2292.11,535.1 2236.1,591.11 2236.1,715 2235.71,716.95 2234.6,718.6 2209.6,743.6 2207.95,744.71 2206,745.1 545.11,745.1 533.1,757.11 533.1,850.89 551.11,868.9 2278.89,868.9
USIM_VDD on VCC (split plane): 2354.9,1326.89 2354.9,916.11 2342.89,904.1 1952.11,904.1 1946.1,910.11 1946.1,960.89 1966.11,980.9 2270,980.9 2271.95,981.29 2273.6,982.4 2291.6,1000.4 2292.71,1002.05 2293.1,1004 2293.1,1316.89 2318.11,1341.9 2339.89,1341.9
3.6V on VCC (split plane): 1208.9,477.89 1208.9,444.11 1188.89,424.1 576.11,424.1 567.1,433.11 567.1,478.89 585.11,496.9 1189.89,496.9
VCC on VCC (split plane): 1469.9,2531.63 1469.9,1830.74 1470.29,1828.79 1471.39,1827.14 1642.39,1656.14 1644.05,1655.03 1646,1654.64 2378.89,1654.64 2430.9,1602.63 2430.9,619.92 2430,620.1 2378.11,620.1 2367.1,631.11 2367.1,793 2366.71,794.95 2365.6,796.6 2284.6,877.6 2282.95,878.71 2281,879.1 549,879.1 547.05,878.71 545.4,877.6 524.39,856.6 523.29,854.95 522.9,853 522.9,755 523.29,753.05 524.39,751.4 539.4,736.4 541.05,735.29 543,734.9 1090.69,734.9 957.89,602.1 493,602.1 491.05,601.71 489.4,600.6 450.39,561.6 449.29,559.95 448.9,558 448.9,205.74 449.29,203.79 450.39,202.14 469.39,183.14 471.05,182.03 473,181.64 528,181.64 529.95,182.03 531.6,183.14 532.71,184.79 533.1,186.74 533.1,470.89 590.11,527.9 1078,527.9 1079.95,528.29 1081.6,529.4 1172.11,619.9 1601.89,619.9 1629.9,591.89 1629.9,381 1630.29,379.05 1631.4,377.4 1657.4,351.4 1659.05,350.29 1661,349.9 1845,349.9 1846.95,350.29 1848.6,351.4 1865.6,368.4 1866.71,370.05 1867.1,372 1867.1,416 1866.71,417.95 1865.6,419.6 1844.6,440.6 1842.95,441.71 1841,442.1 1785.11,442.1 1751.1,476.11 1751.1,708 1750.71,709.95 1749.6,711.6 1726.31,734.9 2203.89,734.9 2225.9,712.89 2225.9,589 2226.29,587.05 2227.4,585.4 2286.4,526.4 2288.05,525.29 2290,524.9 2430.9,524.9 2430.9,207.11 2309.63,85.84 420.11,85.84 361.1,144.85 361.1,974.63 715.6,1329.14 716.71,1330.79 717.1,1332.74 717.1,1787.89 933.6,2004.39 934.71,2006.05 935.1,2008 935.1,2350.63 972.11,2387.64 1175,2387.64 1176.95,2388.03 1178.6,2389.14 1261.6,2472.14 1262.71,2473.79 1263.1,2475.74 1263.1,2571.63 1290.11,2598.64 1402.89,2598.64
5V on VCC (split plane): 1740.9,705.89 1740.9,474 1741.29,472.05 1742.4,470.4 1779.4,433.4 1781.05,432.29 1783,431.9 1838.89,431.9 1856.9,413.89 1856.9,374.11 1842.89,360.1 1663.11,360.1 1640.1,383.11 1640.1,594 1639.71,595.95 1638.6,597.6 1607.6,628.6 1605.95,629.71 1604,630.1 1170,630.1 1168.05,629.71 1166.4,628.6 1075.89,538.1 588,538.1 586.05,537.71 584.4,536.6 524.39,476.6 523.29,474.95 522.9,473 522.9,191.84 475.11,191.84 459.1,207.85 459.1,555.89 495.11,591.9 960,591.9 961.95,592.29 963.6,593.4 1103.11,732.9 1713.89,732.9
GND on VCC (split plane): 4118.78,15.08 4015.75,15.08 4015.75,2026 4014.75,2025 3721,2025 3721,1281 3720,1280 3543,1280 3543,493 3577,459 3648,459 3680,427 3680,319 3647,286 3566,286 3543,263 3543,15.08 -103.03,15.08 -103.03,10725.08 3714.23,10725.08 3996.52,10442.78 3999.57,10440.28 4003.04,10438.42 4006.81,10437.28 4010.73,10436.89 4014.65,10437.28 4018.42,10438.42 4021.9,10440.28 4024.94,10442.78 4027.44,10445.83 4029.3,10449.3 4030.44,10453.07 4030.83,10456.99 4030.83,10725.08 4118.78,10725.08

## Keep-outs
Keep-Out Layer:
  circle w5: c696.85,4295.28 r11.81
  circle w5: c696.85,6996.06 r11.81
  circle w5: c696.85,9696.85 r11.81
  circle w10: c381.89,1594.49 r61.02
  circle w10: c118.11,649.61 r61.02
  circle w10: c3307.09,2519.69 r61.02
  lines w10: 0,5338.59 0,5401.57 ; 4015.75,10739.91 4015.75,10444.88 ; 4015.75,5401.57 4015.75,5043.31 ; 4016,10740.16 4133.86,10740.16 4133.86,0 4015.75,0 ; 0,5401.57 0,8039.37 ; 0,5401.57 4015.75,5401.57 4015.75,7744.1 ; 0,8039.37 3720.47,8039.37 4015.75,7744.1 ; 0,8039.37 0,8102.36 ; 0,8102.36 0,10740.16 ; 0,8102.36 4015.75,8102.36 ; 0,10740.16 3720.47,10740.16 4015.75,10444.88 ; 0,10740.16 -118.11,10740.16 -118.11,0 0,0 ; 0,0 4015.75,0 ; 0,0 0,2637.8 ; 0,2637.8 3720.47,2637.8 4015.75,2342.52 ; 0,2637.8 0,2700.79 ; 0,2700.79 0,5338.58 3720.47,5338.58 4015.75,5043.31 ; 0,2700.79 4015.75,2700.79 ; 4015.75,7744.1 4015.75,8102.36 ; 4015.75,8102.36 4015.75,10444.88 ; 4015.75,0 4015.75,2342.52 ; 4015.75,2342.52 4015.75,2700.79 ; 4015.75,2700.79 4015.75,5043.31

## Other copper
Top Layer:
  rectangle net VCC: 1744,1477.74 1816,1522.74
  rectangle net VIN_NB: 485,821.74 758,898.74
  region net NetQ15_1: 2355,791 2506,791 2516,801 2516,841 2507,850 2361,850 2355,844
  pour cut-out: 439.5,894 462.5,894 462.5,829.18 461.61,828.29 448.46,841.44 439,841.44
  pour cut-out: 49.2,349.16 48.44,348.4 48.44,327.24 138.74,327.24 142.2,330.7 141.8,331.09 141.8,349.16
  region net VIN_NB: 485,883 513,911 759,911 765,905 765,825 749,809 495,809 485,819
  region net VIN: 53,484 53,372 57,368 134,368 140,374 140,485 138,487 56,487
  region net 5V: 286,376 286,323 324,285 365.74,285 378,272.74 378,186 384,180 511.26,180 516,184.74 516,264.74 524,272.74 573,272.74 582,281.74 582,334.74 567,349.74 490,349.74 462,377.74 364,377.74 287.74,377.74
  region net 3.6V: 499,401.74 573,401.74 584,412.74 621.74,412.74 626,417 626,544.74 617,553.74 496,553.74 489,546.74 489,411.74
  region net VCC: 640,649.74 640,613.74 649,604.74 882.74,604.74 893,615 893,646 884.26,654.74 645,654.74
  pour cut-out: 3543,0 3543,263 3566,286 3647,286 3680,319 3680,427 3648,459 3577,459 3543,493 3543,1280 3720,1280 3721,1281 3721,2025 4014.75,2025 4015.75,2026 4015.75,0
  region net VIN: 370,888 370,761 378,753 456,753 463,760 463,811 452,822 430,822 423,829 423,887 422,888
  pour cut-out: 777.42,821.52 914,821.52 914,926.48 777.42,926.48
  region net VIN_NB: 2519,466 2442,466 2424,484 2424,505 2397,532 2370,532 2351,551 2351,587 2373,609 2425,609 2490,544 2531,544 2542,533 2542,489
  region net NetQ15_2: 2415,757 2415,721 2429,707 2452,707 2496,663 2496,620 2512,604 2540,604 2573,571 2573,554 2581,546 2634,546 2637,549 2637,584 2608,613 2595,613 2574,634 2574,688 2544,718 2520,718 2515,723 2515,754 2509,760 2418,760
  region net VIN_NB: 2625,686 2625,625 2672,578 2672,526 2667,521 2578,521 2577,520 2577,491 2579,489 2582,489 2707,489 2712,494 2712,604 2685,631 2685,686
  region net GPRS_3.6V: 2558,846 2558,763 2568,753 2704,753 2713,744 2713,620 2761,572 2835,572 2887,520 2887,385 2955,385 2955,540 2865,630 2788,630 2771,647 2771,796 2755,812 2657,812 2645,824 2645,850 2640,855 2567,855
  region net EARTH: 116,2420 336,2420 371,2455 371,2605 358,2618 116,2618
  pour cut-out: 5,2369 390,2369 424,2403 424,2630 5,2630
  region net NetC4_1: 67,255 174,255 181,248 231,248 261,218 261,184 264,181 323,181 326,184 326,256 315,267 292,267 264,295 264,364 258,370 230,370 225,365 225,323 210,308 67,308
Bottom Layer:
  region net VIN: 53,485 53,362 64,351 142,351 148,345 148,275 159,264 195,264 199,268 199,483 195,487 55,487
  region net VIN: 369,819 369,762 378,753 457,753 464,760 464,816 457,823 373,823
  pour cut-out: 3543,0 3543,263 3566,286 3647,286 3680,319 3680,427 3648,459 3577,459 3543,493 3543,1280 3720,1280 3721,1281 3721,2025 4014.75,2025 4015.75,2026 4015.75,0
  pour cut-out: 5,2369 390,2369 424,2403 424,2630 5,2630
GND (plane layer: these items are gaps in the copper):
  pour cut-out: 3543,0 3543,263 3566,286 3647,286 3680,319 3680,427 3648,459 3577,459 3543,493 3543,1280 3720,1280 3721,1281 3721,2025 4014.75,2025 4015.75,2026 4015.75,0
  pour cut-out: 5,2369 390,2369 424,2403 424,2630 5,2630
VCC (plane layer: these items are gaps in the copper):
  pour cut-out: 3543,0 3543,263 3566,286 3647,286 3680,319 3680,427 3648,459 3577,459 3543,493 3543,1280 3720,1280 3721,1281 3721,2025 4014.75,2025 4015.75,2026 4015.75,0
  pour cut-out: 5,2369 390,2369 424,2403 424,2630 5,2630
  lines w10: 2436,530 2290,530 2231,589 2231,715 2206,740 543,740 528,755 528,853 549,874 2281,874 2362,793 2362,629 2376,615 2430,615 2436,609 ; 356,142.74 356,976.74 712,1332.74 712,1790 930,2008 930,2352.74 970,2392.74 1175,2392.74 1258,2475.74 1258,2573.74 1288,2603.74 1405,2603.74 1475,2533.74 1475,1830.74 1646,1659.74 2381,1659.74 2436,1604.74 2436,205 2311.74,80.74 418,80.74 356,142.74 ; 454,205.74 454,558 493,597 960,597 1101,738 1450,738 1716,738 1746,708 1746,474 1783,437 1841,437 1862,416 1862,372 1845,355 1661,355 1635,381 1635,594 1604,625 1170,625 1078,533 588,533 528,473 528,186.74 473,186.74 454,205.74 ; 562,431 562,481 583,502 1192,502 1214,480 1214,442 1191,419 574,419 562,431 ; 1941,908 1950,899 2345,899 2360,914 2360,1329 2342,1347 2316,1347 2288,1319 2288,1004 2270,986 1964,986 1941,963 1941,908

## Silkscreen, mask and mechanical layers (free items; w line width, h text height)
Bottom Overlay:
  circle w0.5: c381.89,1122.05 r354.33
  circle w0.5: c381.89,2066.93 r354.33
  lines w10: 3543.31,9 3543.31,1279.53 3720.47,1279.53 3720.47,2027 ; 3720.47,2027.56 4011.34,2027.56 ; 4015.75,1418 3970,1418 3968,1420 3968,1770 3969,1771 4015.75,1771
  text "G" at 3469,2441 h30
  text "GP_R" at 3626,2440 h30
  text "GP_T" at 3766,2439 h30
  text "R" at 801,2425 h30
  text "G" at 1222,2425 h30
  text "CLK" at 1050,2424 h30
  text "T" at 704,2423 h30
  text "G" at 598,2422 h30
  text "R" at 913,2421 h30
  text "IO" at 1124,2420 h30
  text "V" at 1323,2420 h30
  text "G" at 3947,2272 h30
  text "D_T" at 3974,2175 h30
  text "D_R" at 3973,2090 h30
  text "WX0.007.100PCB-4.2" at 3162.59,1247.57 h40
  text "102010403-****" at 3160.85,1189.68 h40
  text "UWLWn-P9" at 3164.55,1135.36 h40
  text "2022-6-6" at 3164.55,1086.36 h40
  text "V1" at 3164.55,1036.36 h40
  text "黑" at 1453,963 h100
  text "白" at 1682,955 h100
  text "灯" at 2129,952 h100
  text "备电" at 1284,465 h100
  text "阀门" at 2057,459 h100
  text "主电" at 372,455 h100
  text "119" at 2961,454 h100
  text "温压" at 1703,347 h100
  text "卡电路" at 859,296 h100
  text "UMU" at 2511,292.5 h100
Mechanical 1:
  circle w0.5: c118.11,2519.69 r98.43
  circle w0.5: c118.11,2519.69 r59.06
  circle w0.5: c3307.09,767.72 r59.06
  circle w0.5: c3307.09,767.72 r98.43
  lines w10: 0,1417.32 47.24,1417.32 47.24,1771.65 0,1771.65 ; 4015.75,1417.32 3968.51,1417.32 3968.51,1771.65 4015.75,1771.65 ; 259.84,1000 503.94,1000 503.94,1244.1 259.84,1244.1 259.84,1000 ; 259.84,1944.88 503.94,1944.88 503.94,2188.98 259.84,2188.98 259.84,1944.88

## Text inside footprints (layer, text, board x,y; h text height)
B1: Bottom Overlay "+" at 767,1057.74 h80 r180
LCD1: Bottom Overlay "1" at 1513.27,2297.2 h30; Bottom Overlay "24" at 3468.27,2312.2 h30